# Altium PCB HIVE_BOARD_PCB ASCII REV Project_PCB_Rev.Project_SCH_Rev.PcbDoc (part 8 of 9)
Units mil, origin at the board's own origin, x right, y up, seen from the top; angles counter-clockwise.
Board outline 4330.71 x 4330.71 mil, 8 copper layers (Top, GND_1, Signal_1, GND_2, PWR, Signal_2, GND_3, Bottom), stack 62.994 mil thick; 660 components, 468 nets, 2497 pads, 1806 vias.
Unrouted connection lines stored in the file: 30.
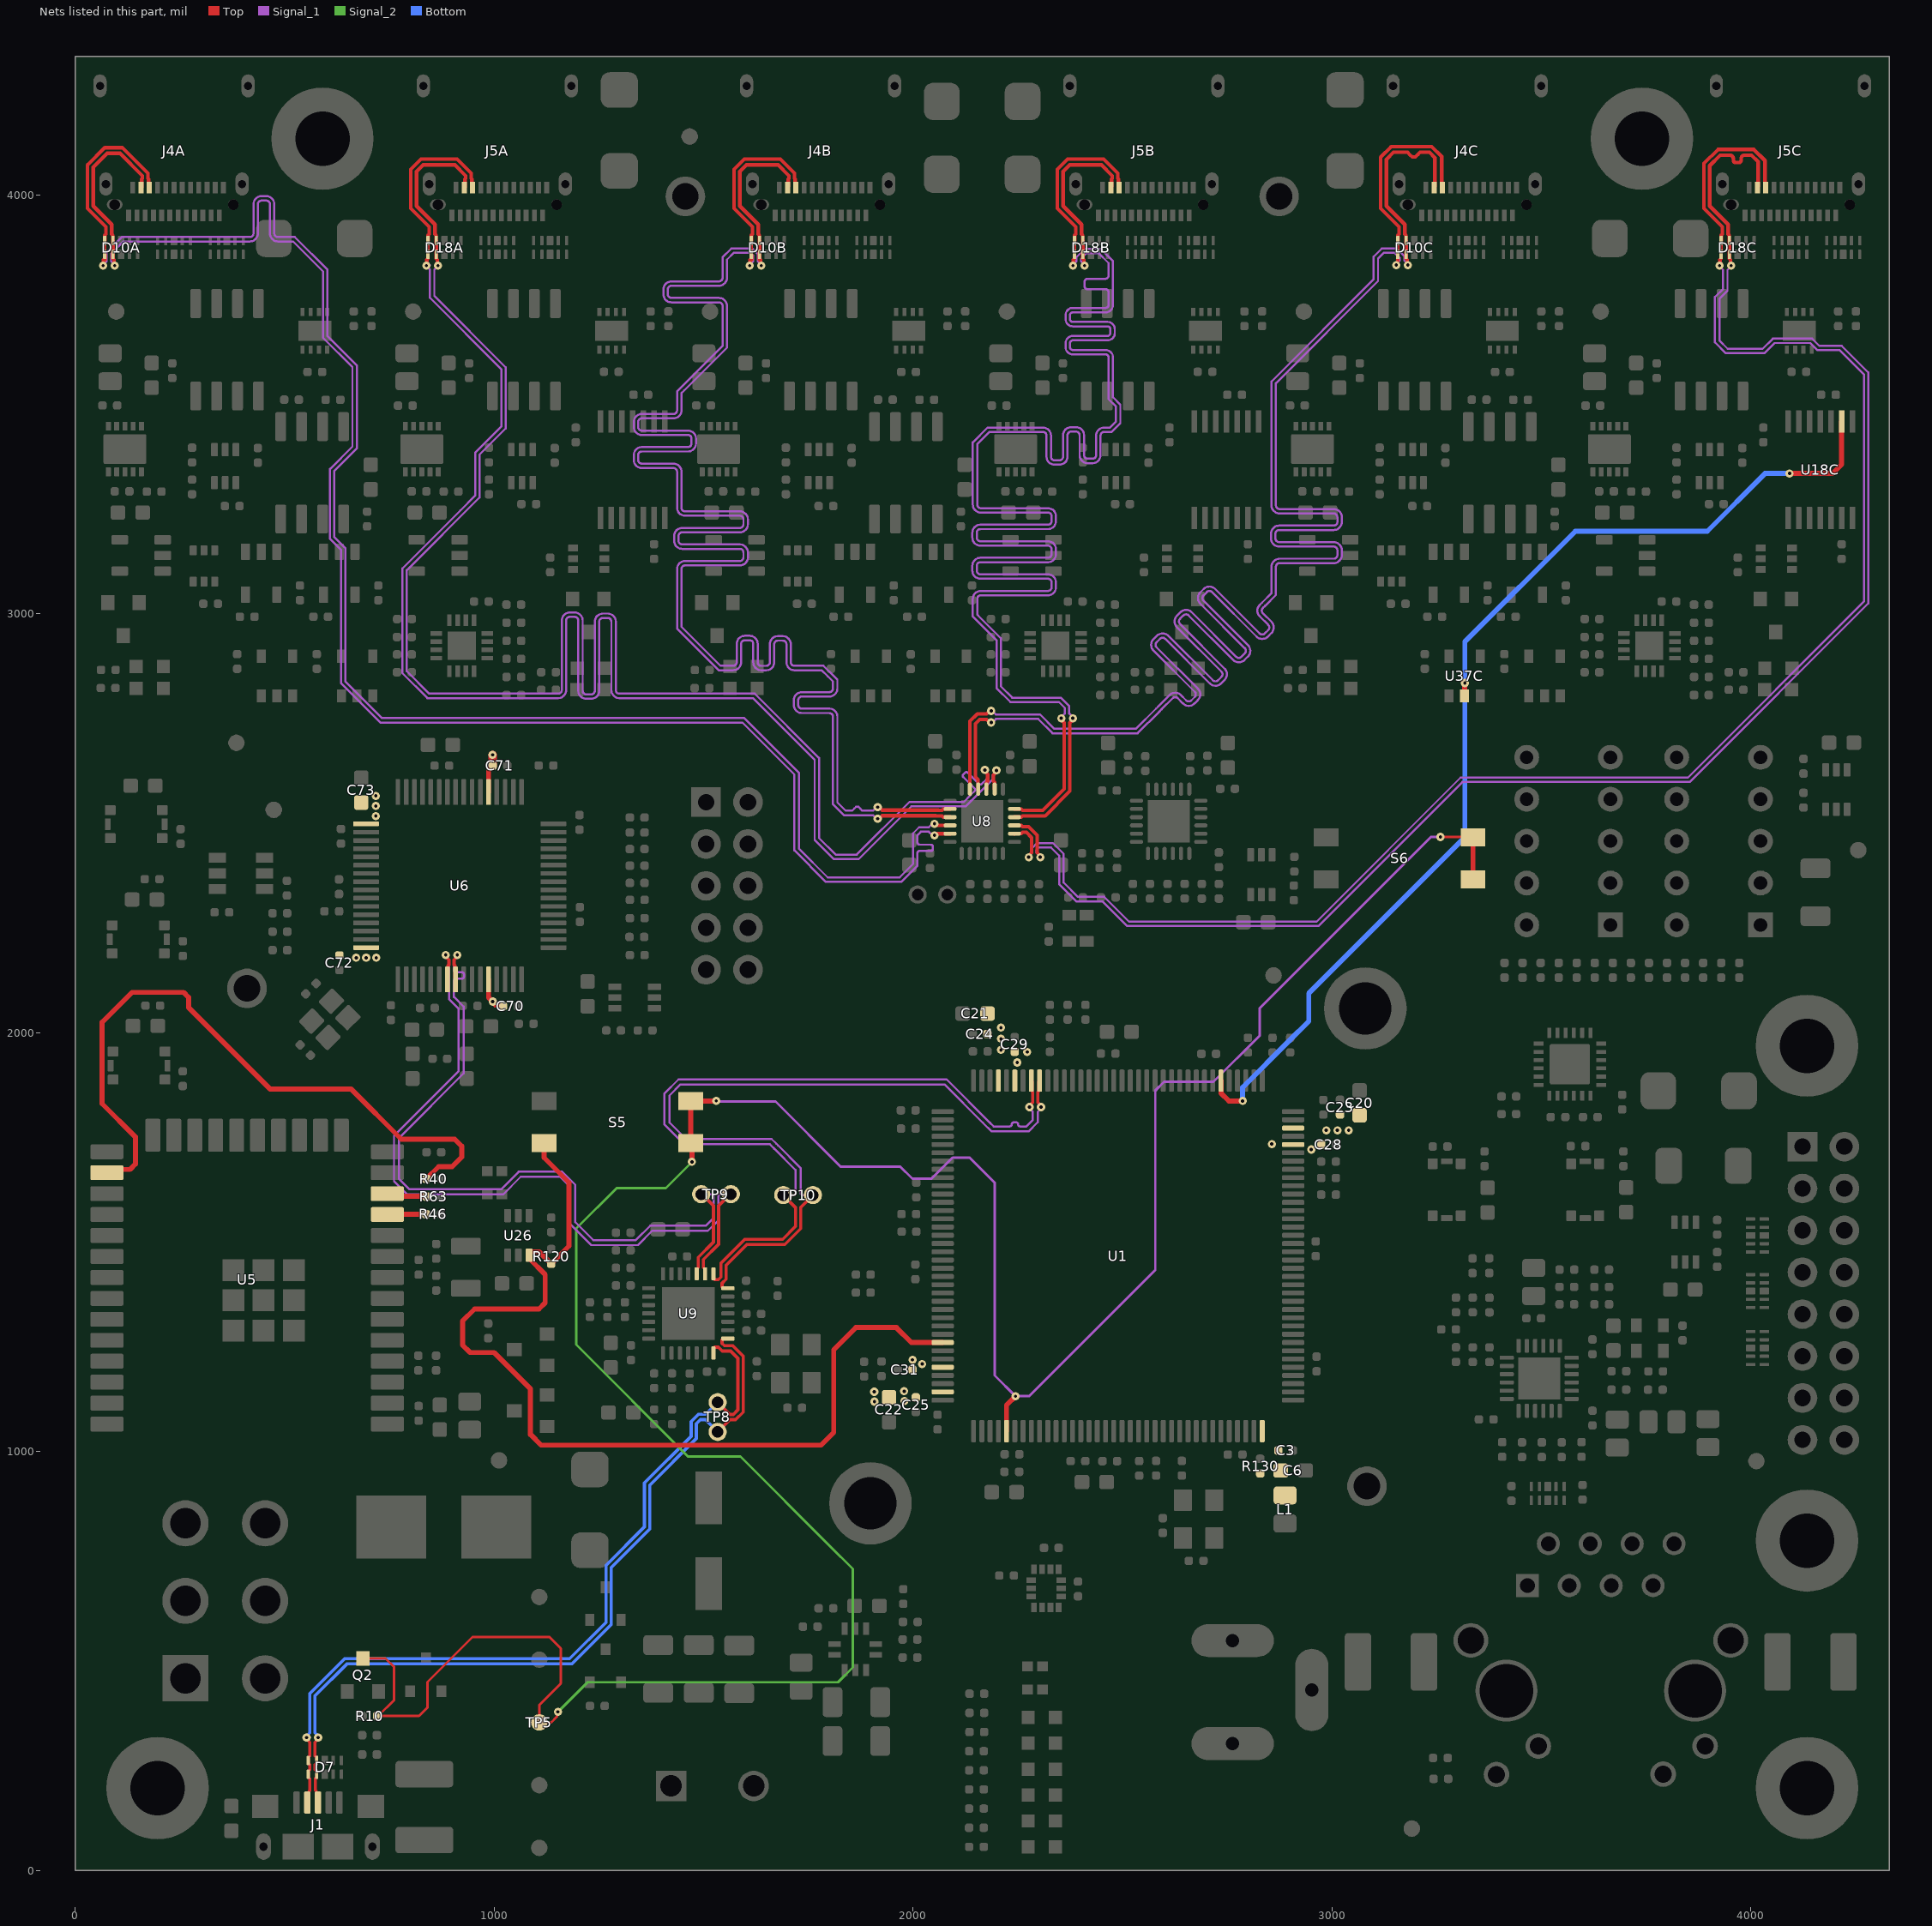
[diagram p14: the nets of this part, all layers, seen from the top]

## Via types
v1: diameter 19.68, hole 7.87, Top to Bottom, tented both sides, 1753 vias
v2: diameter 19.68, hole 7.87, Top to Bottom, 41 vias
v3: diameter 21.65, hole 7.87, Top to Bottom, tented both sides, 7 vias
v4: diameter 19.68, hole 7.87, Top to Bottom, tented bottom, 5 vias

## Nets (pads, with @x,y where several pads share a name; then routed paths per layer and width w, separated by ;. In a path a pad name is that pad's centre, name@x,y a point inside that pad or via, vN(x,y) a via of type N, cw(c..) or ccw(c..) an arc to the next point about the centre after c; other vN are vias at no path point) (continued)
SPI_nCS_1C: U1.78 U18C.9 U37C.2 | length 2614
  Top w12: U1.78@2735.28,1885.4 2735.28,1855.72 2754,1837 v1(2787,1837) ; U37C.2@3316.65,2803.76 v1@3316.65,2834.57 ; v1(4092.29,3334.63) 4194.84,3334.63 4216.73,3356.52 U18C.9@4216.73,3458.65 U18C.9@4217.65,3457.73
  Bottom w12: v1(2787,1837) 2787,1869.24 2899.08,1981.32 2944.89,2027.13 2944.89,2093.89 3317.34,2466.34 3317.34,2933.14 3581.2,3197 3896.25,3197 4033.89,3334.63 v1(4092.29,3334.63)
  other v1: 3317.34,2834.57
SYNC_0A_N: D10A.5 D10A.6 J4A.B3 U8.4 | length 4147.8
  Top w8.5: v1(66.88,3830.91) 68.08,3832.1 68.08,3844.66 D10A.6@70.87,3847.45 ; 71.18,3844.55 71.18,3857.27 D10A.6@70.87,3857.58 D10A.5@70.87,3890.45 71.18,3890.77 71.18,3903.48 73.96,3906.26 73.96,3923.46 29.9,3967.53 29.9,4071.19 71.09,4112.39 112.74,4112.39 174.06,4051.07 174.06,4038.44 175.5,4037 175.5,4018.97 J4A.B3@177.16,4017.31 ; v1(2051.36,2498.59) 2054.92,2498.59 2058.9,2494.61 U8.4@2088.74,2494.61
  Signal_1 w5: v1(66.88,3830.91) 66.88,3832.6 75.46,3841.18 75.46,3862.94 111.52,3899 393.36,3899 409.32,3899 417.07,3899 ccw(c417.07,3907.7) 425.77,3907.7 425.77,3977.23 cw(c444.97,3977.23) 444.97,3996.43 456.57,3996.43 cw(c456.57,3977.23) 475.77,3977.23 475.77,3907.7 ccw(c484.47,3907.7) 484.47,3899 509.93,3899 524.58,3899 602.55,3821.03 602.55,3662.81 672.56,3592.79 672.56,3394.66 619.03,3341.13 619.03,3182.8 645.03,3156.81 645.03,2838.59 732.92,2750.7 1597.3,2750.7 1727.62,2620.38 1727.62,2439.38 1796.6,2370.4 1968.11,2370.4 2000.3,2402.6 2000.3,2475.86 2014.45,2490.01 2037.88,2490.01 v1@2046.45,2498.59
SYNC_0A_P: D10A.4 D10A.7 J4A.B2 U8.5 | length 4147.8
  Top w8.5: v1(94.54,3830.91) 93.34,3832.1 93.34,3844.66 90.55,3847.45 D10A.7@90.55,3857.58 D10A.4@90.55,3890.45 90.24,3890.77 90.24,3903.48 87.46,3906.26 87.46,3929.06 43.4,3973.12 43.4,4065.6 76.69,4098.89 107.15,4098.89 160.56,4045.48 160.56,4038.44 159.13,4037 159.13,4018.97 J4A.B2@157.47,4017.31 ; v1(2051.36,2470.94) 2054.92,2470.94 2058.9,2474.92 U8.5@2088.74,2474.92
  Signal_1 w5: v1(94.54,3830.91) 94.54,3832.6 85.96,3841.18 85.96,3858.59 115.87,3888.5 409.32,3888.5 417.07,3888.5 ccw(c417.07,3907.7) 436.27,3907.7 436.27,3977.23 cw(c444.97,3977.23) 444.97,3985.93 456.57,3985.93 cw(c456.57,3977.23) 465.27,3977.23 465.27,3907.7 ccw(c484.47,3907.7) 484.47,3888.5 509.93,3888.5 520.23,3888.5 592.05,3816.68 592.05,3658.46 662.06,3588.44 662.06,3399.01 608.53,3345.48 608.53,3178.45 634.53,3152.46 634.53,2834.24 728.57,2740.2 1592.96,2740.2 1717.12,2616.03 1717.12,2435.03 1792.25,2359.9 1972.46,2359.9 2010.8,2398.25 2010.8,2411.17 2010.8,2428.67 cw(c2015.8,2428.67) 2015.8,2433.67 2042.96,2433.67 ccw(c2042.96,2438.17) 2047.46,2438.17 2047.46,2444.17 ccw(c2042.96,2444.17) 2042.96,2448.67 2015.8,2448.67 cw(c2015.8,2453.67) 2010.8,2453.67 2010.8,2461.22 2010.8,2471.51 2018.8,2479.51 2037.88,2479.51 v1@2046.45,2470.94
SYNC_0B_N: D10B.5 D10B.6 J4B.B3 U8.2 | length 4191.7
  Top w8.5: v1(1610.19,3830.92) 1611.39,3832.12 1611.39,3844.68 1614.18,3847.46 D10B.6@1614.18,3857.59 ; 1614.49,3844.57 1614.49,3857.28 D10B.6@1614.18,3857.59 ; J4B.B3@1720.47,4017.33 1718.81,4018.98 1718.81,4037.01 1717.38,4038.45 1717.38,4051.08 1683.63,4084.83 1597.17,4084.83 1573.21,4060.87 1573.21,3967.54 1617.27,3923.48 1617.27,3906.27 1614.49,3903.49 1614.49,3890.78 D10B.5@1614.17,3890.45 D10B.6@1614.18,3857.59 ; v1(1915.77,2538.24) 1919.33,2538.24 1926.41,2531.17 2059.96,2531.17 2060.24,2530.88 2069.51,2530.88 2072.35,2533.72 2088.48,2533.72 U8.2@2088.74,2533.98
  Signal_1 w5: v1(1610.19,3830.92) 1610.19,3832.62 1618.77,3841.19 1618.77,3854.86 1612.49,3861.14 1572.01,3861.14 1556.01,3845.15 1556.01,3824.63 1556.01,3801.9 cw(c1536.81,3801.9) 1536.81,3782.7 1423.55,3782.7 ccw(c1423.55,3774) 1414.85,3774 1414.85,3762.4 ccw(c1423.55,3762.4) 1423.55,3753.7 1536.81,3753.7 cw(c1536.81,3734.5) 1556.01,3734.5 1556.01,3726.74 1556.01,3634.92 1453.7,3532.61 1447.4,3526.31 1447.4,3485.36 cw(c1428.2,3485.36) 1428.2,3466.16 1352.79,3466.16 ccw(c1352.79,3457.46) 1344.09,3457.46 1344.09,3445.86 ccw(c1352.79,3445.86) 1352.79,3437.16 1462.85,3437.16 cw(c1462.85,3417.96) 1482.05,3417.96 1482.05,3406.36 cw(c1462.85,3406.36) 1462.85,3387.16 1352.79,3387.16 ccw(c1352.79,3378.46) 1344.09,3378.46 1344.09,3366.86 ccw(c1352.79,3366.86) 1352.79,3358.16 1428.2,3358.16 cw(c1428.2,3338.96) 1447.4,3338.96 1447.4,3299.06 1447.4,3260.71 1447.4,3252.96 ccw(c1456.1,3252.96) 1456.1,3244.26 1586.74,3244.26 cw(c1586.74,3225.06) 1605.94,3225.06 1605.94,3213.46 cw(c1586.74,3213.46) 1586.74,3194.26 1449.22,3194.26 ccw(c1449.22,3185.56) 1440.52,3185.56 1440.52,3173.96 ccw(c1449.22,3173.96) 1449.22,3165.26 1586.74,3165.26 cw(c1586.74,3146.06) 1605.94,3146.06 1605.94,3134.46 cw(c1586.74,3134.46) 1586.74,3115.26 1456.1,3115.26 ccw(c1456.1,3106.56) 1447.4,3106.56 1447.4,3081.94 1447.4,2968.99 1540.81,2875.59 1562.93,2875.59 1570.69,2875.59 ccw(c1570.69,2884.29) 1579.39,2884.29 1579.39,2927.97 cw(c1598.59,2927.97) 1598.59,2947.17 1610.19,2947.17 cw(c1610.19,2927.97) 1629.39,2927.97 1629.39,2884.14 ccw(c1638.09,2884.14) 1638.09,2875.44 1649.69,2875.44 ccw(c1649.69,2884.14) 1658.39,2884.14 1658.39,2927.14 cw(c1677.59,2927.14) 1677.59,2946.34 1689.19,2946.34 cw(c1689.19,2927.14) 1708.39,2927.14 1708.39,2884.29 ccw(c1717.09,2884.29) 1717.09,2875.59 1776.23,2875.59 1786.42,2875.59 1811.47,2850.54 1819.6,2842.4 1819.6,2821.52 cw(c1800.4,2821.52) 1800.4,2802.32 1734.95,2802.32 ccw(c1734.95,2793.62) 1726.25,2793.62 1726.25,2782.02 ccw(c1734.95,2782.02) 1734.95,2773.32 1800.4,2773.32 cw(c1800.4,2754.12) 1819.6,2754.12 1819.6,2746.37 1819.6,2549.59 1839.52,2529.67 1854.99,2529.67 1859.49,2534.17 1859.49,2534.48 1863.99,2538.98 1869.99,2538.98 1874.49,2534.48 1874.49,2534.17 1878.99,2529.67 1896.49,2529.67 1904.52,2529.67 1913.09,2538.24 v1(1915.77,2538.24)
SYNC_0B_P: D10B.4 D10B.7 J4B.B2 U8.3 | length 4191.7
  Top w8.5: 1633.55,3844.57 1633.55,3857.28 D10B.7@1633.86,3857.59 ; v1(1637.85,3830.92) 1636.65,3832.12 1636.65,3844.68 1633.86,3847.46 D10B.7@1633.86,3857.59 ; J4B.B2@1700.78,4017.33 1702.44,4018.98 1702.44,4037.01 1703.88,4038.45 1703.88,4045.49 1678.04,4071.33 1602.76,4071.33 1586.71,4055.28 1586.71,3973.13 1630.77,3929.07 1630.77,3906.27 1633.55,3903.49 1633.55,3890.78 D10B.4@1633.86,3890.45 D10B.7@1633.86,3857.59 ; v1(1915.77,2510.59) 1919.33,2510.59 1926.41,2517.67 2054.37,2517.67 2054.65,2517.38 2069.51,2517.38 2072.35,2514.55 2088.48,2514.55 U8.3@2088.74,2514.29
  Signal_1 w5: v1(1637.85,3830.92) 1637.85,3832.62 1629.27,3841.19 1629.27,3859.21 1616.84,3871.64 1566.59,3871.64 1545.51,3850.56 1545.51,3824.63 1545.51,3801.9 cw(c1536.81,3801.9) 1536.81,3793.2 1423.55,3793.2 ccw(c1423.55,3774) 1404.35,3774 1404.35,3762.4 ccw(c1423.55,3762.4) 1423.55,3743.2 1536.81,3743.2 cw(c1536.81,3734.5) 1545.51,3734.5 1545.51,3726.74 1545.51,3639.27 1438.86,3532.61 1436.9,3530.66 1436.9,3485.36 cw(c1428.2,3485.36) 1428.2,3476.66 1352.79,3476.66 ccw(c1352.79,3457.46) 1333.59,3457.46 1333.59,3445.86 ccw(c1352.79,3445.86) 1352.79,3426.66 1462.85,3426.66 cw(c1462.85,3417.96) 1471.55,3417.96 1471.55,3406.36 cw(c1462.85,3406.36) 1462.85,3397.66 1352.79,3397.66 ccw(c1352.79,3378.46) 1333.59,3378.46 1333.59,3366.86 ccw(c1352.79,3366.86) 1352.79,3347.66 1428.2,3347.66 cw(c1428.2,3338.96) 1436.9,3338.96 1436.9,3299.06 1436.9,3260.71 1436.9,3252.96 ccw(c1456.1,3252.96) 1456.1,3233.76 1586.74,3233.76 cw(c1586.74,3225.06) 1595.44,3225.06 1595.44,3213.46 cw(c1586.74,3213.46) 1586.74,3204.76 1449.22,3204.76 ccw(c1449.22,3185.56) 1430.02,3185.56 1430.02,3173.96 ccw(c1449.22,3173.96) 1449.22,3154.76 1586.74,3154.76 cw(c1586.74,3146.06) 1595.44,3146.06 1595.44,3134.46 cw(c1586.74,3134.46) 1586.74,3125.76 1456.1,3125.76 ccw(c1456.1,3106.56) 1436.9,3106.56 1436.9,3081.94 1436.9,2964.64 1536.46,2865.09 1562.93,2865.09 1570.69,2865.09 ccw(c1570.69,2884.29) 1589.89,2884.29 1589.89,2927.97 cw(c1598.59,2927.97) 1598.59,2936.67 1610.19,2936.67 cw(c1610.19,2927.97) 1618.89,2927.97 1618.89,2884.14 ccw(c1638.09,2884.14) 1638.09,2864.94 1649.69,2864.94 ccw(c1649.69,2884.14) 1668.89,2884.14 1668.89,2927.14 cw(c1677.59,2927.14) 1677.59,2935.84 1689.19,2935.84 cw(c1689.19,2927.14) 1697.89,2927.14 1697.89,2884.29 ccw(c1717.09,2884.29) 1717.09,2865.09 1776.23,2865.09 1782.07,2865.09 1796.62,2850.54 1809.1,2838.06 1809.1,2821.52 cw(c1800.4,2821.52) 1800.4,2812.82 1734.95,2812.82 ccw(c1734.95,2793.62) 1715.75,2793.62 1715.75,2782.02 ccw(c1734.95,2782.02) 1734.95,2762.82 1800.4,2762.82 cw(c1800.4,2754.12) 1809.1,2754.12 1809.1,2746.37 1809.1,2545.24 1835.17,2519.17 1904.52,2519.17 1913.09,2510.59 v1(1915.77,2510.59)
SYNC_0C_N: D10C.5 D10C.6 J4C.B3 U8.22 | length 4191.2
  Top w8.5: U8.22@2155.67,2581.22 2155.41,2581.48 2155.41,2604.59 2149.48,2610.52 2149.48,2737.5 2159.35,2747.36 2176.09,2747.36 2183.17,2740.29 v1(2186.73,2740.29) ; v1(3153.5,3832) 3153.5,3835.56 3157.17,3839.23 3157.17,3857.27 D10C.6@3157.48,3857.58 D10C.5@3157.48,3890.45 3157.8,3890.77 3157.8,3903.48 3160.58,3906.26 3160.58,3923.47 3116.52,3967.53 3116.52,4089.73 3141.47,4114.68 3238.41,4114.68 3262.12,4090.97 3262.12,4018.97 J4C.B3@3263.78,4017.32
  Signal_1 w5: v1(2186.73,2740.29) 2189.41,2740.29 2197.99,2748.86 2299.01,2748.86 2333.27,2714.6 2536.28,2714.6 2587.97,2766.29 2593.44,2771.76 ; 2581.63,2931.81 ccw(c2587.77,2925.65) 2581.59,2919.52 2680.06,2821.05 cw(c2666.51,2807.45) 2680.09,2793.87 2671.89,2785.67 cw(c2658.31,2799.25) 2644.73,2785.67 2632.22,2798.18 ccw(c2626.04,2792.06) 2619.88,2798.19 2593.46,2771.77 ; 2581.64,2931.82 2589.8,2939.98 cw(c2595.97,2933.85) 2602.15,2939.98 2708.39,2833.74 ; 2637.49,2987.67 ccw(c2643.63,2981.51) 2637.45,2975.38 2745.32,2867.52 2745.32,2867.32 cw(c2730.21,2855.48) 2743.78,2841.9 2735.58,2833.7 cw(c2722,2847.27) 2708.39,2833.73 ; 2637.5,2987.68 2645.66,2995.84 cw(c2651.83,2989.71) 2658.01,2995.84 2764.25,2889.6 ccw(c2777.86,2903.14) 2791.44,2889.56 2799.64,2897.76 ccw(c2786.07,2911.34) 2801.18,2923.18 2801.18,2923.38 2693.31,3031.24 cw(c2699.49,3037.37) 2693.35,3043.53 2701.52,3051.7 cw(c2707.69,3045.57) 2713.87,3051.7 2820.11,2945.46 ccw(c2833.73,2959) 2847.3,2945.42 2855.5,2953.62 ccw(c2841.93,2967.2) 2857.04,2979.04 2857.04,2979.24 2835.15,3001.13 ; 2835.12,3001.16 cw(c2841.29,3007.3) 2835.12,3013.44 ; 2835.16,3013.47 2840.61,3018.93 2866.46,3044.78 2866.46,3082.19 2866.46,3112.06 cw(c2875.16,3112.06) 2875.16,3120.76 3004.32,3120.76 ccw(c3004.32,3139.96) 3023.52,3139.96 3023.52,3151.56 ccw(c3004.32,3151.56) 3004.32,3170.76 2874.06,3170.76 cw(c2874.06,3179.46) 2865.36,3179.46 2865.36,3191.06 cw(c2874.06,3191.06) 2874.06,3199.76 3004.32,3199.76 ccw(c3004.32,3218.96) 3023.52,3218.96 3023.52,3230.56 ccw(c3004.32,3230.56) 3004.32,3249.76 2875.16,3249.76 cw(c2875.16,3258.46) 2866.46,3258.46 2866.46,3266.21 2866.46,3550.15 3110.19,3793.87 3110.19,3847.91 3123.47,3861.19 3150.22,3861.19 3162.07,3849.34 3162.07,3843.26 3153.5,3834.68 v1(3153.5,3832)
SYNC_0C_P: D10C.4 D10C.7 J4C.B2 U8.23 | length 4191.7
  Top w8.5: U8.23@2135.98,2581.22 2135.98,2743.09 2153.76,2760.86 2176.09,2760.86 2183.17,2767.94 v1(2186.73,2767.94) ; v1(3181.15,3832) 3181.15,3835.56 3179.96,3836.75 3179.96,3844.67 3177.17,3847.45 3177.17,3857.58 3177.17,3890.46 3176.86,3890.77 3176.86,3903.48 3174.08,3906.26 3174.08,3929.06 3130.02,3973.12 3130.02,4084.13 3147.07,4101.18 3157.89,4101.18 3180.64,4101.18 3186.19,4095.63 3191.74,4090.08 3199.14,4090.08 3204.69,4095.63 3210.24,4101.18 3224.71,4101.18 3232.82,4101.18 3245.75,4088.25 3245.75,4018.97 J4C.B2@3244.09,4017.32
  Signal_1 w5: v1(2186.73,2767.94) 2189.41,2767.94 2197.99,2759.36 2303.36,2759.36 2337.62,2725.1 2531.93,2725.1 2580.55,2773.71 2586.02,2779.18 2612.47,2805.63 cw(c2626.04,2792.06) 2639.64,2805.61 2652.13,2793.12 ; 2607.81,2948.96 2608.01,2948.96 2715.88,2841.1 ccw(c2722,2847.27) 2728.17,2841.14 2736.33,2849.3 ccw(c2730.21,2855.48) 2736.33,2861.65 ; 2607.81,2948.96 ccw(c2595.97,2933.85) 2582.4,2947.43 2574.19,2939.22 ccw(c2587.77,2925.65) 2574.23,2912.04 2672.66,2813.6 cw(c2666.51,2807.45) 2672.65,2801.28 ; 2652.14,2793.11 ccw(c2658.31,2799.25) 2664.47,2793.11 ; 2664.49,2793.12 2672.64,2801.27 ; 2736.32,2861.67 2630.09,2967.9 cw(c2643.63,2981.51) 2630.05,2995.08 2638.26,3003.29 cw(c2651.83,2989.71) 2663.67,3004.82 2663.87,3004.82 2771.74,2896.96 ccw(c2777.86,2903.14) 2784.03,2897 2792.19,2905.16 ; 2792.21,2905.17 ccw(c2786.07,2911.34) 2792.19,2917.52 2685.95,3023.76 cw(c2699.49,3037.37) 2685.92,3050.95 2694.12,3059.15 cw(c2707.69,3045.57) 2719.54,3060.69 2719.73,3060.69 2827.6,2952.82 ccw(c2833.73,2959) 2839.89,2952.86 ; 2839.9,2952.87 2848.06,2961.02 ccw(c2841.93,2967.2) 2848.05,2973.38 ; 2848.04,2973.39 2827.74,2993.69 cw(c2841.29,3007.3) 2827.73,3020.9 2833.19,3026.36 2855.96,3049.12 2855.96,3082.19 2855.96,3112.06 cw(c2875.16,3112.06) 2875.16,3131.26 3004.32,3131.26 ccw(c3004.32,3139.96) 3013.02,3139.96 3013.02,3151.56 ccw(c3004.32,3151.56) 3004.32,3160.26 2874.06,3160.26 cw(c2874.06,3179.46) 2854.86,3179.46 2854.86,3191.06 cw(c2874.06,3191.06) 2874.06,3210.26 3004.32,3210.26 ccw(c3004.32,3218.96) 3013.02,3218.96 3013.02,3230.56 ccw(c3004.32,3230.56) 3004.32,3239.26 2875.16,3239.26 cw(c2875.16,3258.46) 2855.96,3258.46 2855.96,3266.21 2855.96,3554.5 3099.69,3798.22 3099.69,3852.26 3119.12,3871.69 3154.57,3871.69 3172.57,3853.69 3172.57,3843.26 3181.15,3834.68 v1(3181.15,3832)
SYNC_1A_N: D18A.5 D18A.6 J5A.B3 U8.20 | length 4191.7
  Top w8.5: v1(838.54,3830.91) 839.73,3832.1 839.73,3844.66 842.52,3847.45 D18A.6@842.52,3857.58 D18A.5@842.52,3890.45 842.83,3890.77 842.83,3903.48 845.61,3906.26 845.61,3923.46 801.55,3967.53 801.55,4060.85 825.51,4084.81 911.97,4084.81 945.72,4051.07 945.72,4038.44 947.16,4037 947.16,4018.97 J5A.B3@948.81,4017.31 ; U8.20@2195.04,2581.22 2194.78,2581.48 2194.78,2597.61 2191.95,2600.44 2191.95,2615 2199.31,2622.36 v1(2199.31,2625.92)
  Signal_1 w5: v1@847.11,3832 838.54,3832 838.54,3829.32 847.11,3820.74 847.11,3753.95 1017.56,3583.5 1017.56,3446.65 955.12,3384.22 955.12,3281.85 919.63,3246.36 781.38,3108.11 781.38,2858.2 841.07,2798.51 1145.25,2798.51 1153,2798.51 ccw(c1153,2817.71) 1172.2,2817.71 1172.2,2983.67 cw(c1180.9,2983.67) 1180.9,2992.37 1192.5,2992.37 cw(c1192.5,2983.67) 1201.2,2983.67 1201.2,2816.09 ccw(c1220.4,2816.09) 1220.4,2796.89 1232,2796.89 ccw(c1232,2816.09) 1251.2,2816.09 1251.2,2981.06 cw(c1259.9,2981.06) 1259.9,2989.76 1271.5,2989.76 cw(c1271.5,2981.06) 1280.2,2981.06 1280.2,2817.71 ccw(c1299.4,2817.71) 1299.4,2798.51 1328.27,2798.51 1618.31,2798.51 1765.4,2651.42 1765.4,2460.32 1811.46,2414.27 1870.31,2414.27 1996.16,2540.11 2125.59,2540.11 2138.67,2553.19 2190.74,2605.26 2190.74,2614.67 2199.31,2623.23 v1(2199.31,2625.92)
SYNC_1A_P: D18A.4 D18A.7 J5A.B2 U8.21 | length 4191.7
  Top w8.5: v1(866.19,3830.91) 864.99,3832.1 864.99,3844.66 862.2,3847.45 D18A.7@862.2,3857.58 D18A.4@862.2,3890.45 861.89,3890.77 861.89,3903.48 859.11,3906.26 859.11,3929.06 815.05,3973.12 815.05,4055.26 831.1,4071.31 906.38,4071.31 932.22,4045.48 932.22,4038.44 930.78,4037 930.78,4018.97 J5A.B2@929.13,4017.31 ; v1(2171.67,2626.96) 2171.67,2623.4 2178.45,2616.63 2178.45,2600.44 2175.61,2597.61 2175.61,2581.48 U8.21@2175.35,2581.22
  Signal_1 w5: v1@866.19,3832 866.19,3829.32 857.61,3820.74 857.61,3758.3 1028.06,3587.85 1028.06,3442.3 965.62,3379.87 965.62,3277.5 791.88,3103.76 791.88,2862.55 845.42,2809.01 1145.25,2809.01 1153,2809.01 ccw(c1153,2817.71) 1161.7,2817.71 1161.7,2983.67 cw(c1180.9,2983.67) 1180.9,3002.87 1192.5,3002.87 cw(c1192.5,2983.67) 1211.7,2983.67 1211.7,2816.09 ccw(c1220.4,2816.09) 1220.4,2807.39 1232,2807.39 ccw(c1232,2816.09) 1240.7,2816.09 1240.7,2981.06 cw(c1259.9,2981.06) 1259.9,3000.26 1271.5,3000.26 cw(c1271.5,2981.06) 1290.7,2981.06 1290.7,2817.71 ccw(c1299.4,2817.71) 1299.4,2809.01 1328.27,2809.01 1622.66,2809.01 1775.9,2655.77 1775.9,2464.67 1815.81,2424.77 1865.97,2424.77 1991.81,2550.61 2121.24,2550.61 2136.75,2566.12 2138.52,2567.89 2146.83,2576.2 ccw(c2143.3,2579.74) 2146.83,2583.27 2120.16,2609.94 cw(c2123.35,2613.12) 2120.16,2616.3 2124.41,2620.55 cw(c2127.59,2617.36) 2130.77,2620.55 2157.44,2593.88 ccw(c2160.97,2597.41) 2164.51,2593.88 2175.12,2604.49 2176.88,2606.25 2180.24,2609.61 2180.24,2615.7 2171.67,2624.27 v1(2171.67,2626.96)
SYNC_1B_N: D18B.5 D18B.6 J5B.B3 U8.16 | length 4191.7
  Top w8.5: U8.16@2242.28,2514.29 2242.54,2514.55 2258.67,2514.55 2261.51,2517.38 2315.6,2517.38 2374.62,2576.41 2374.62,2739.82 2381.7,2746.9 v1(2381.7,2750.46) ; v1(2381.85,3830.92) 2383.04,3832.12 2383.04,3844.68 2385.83,3847.46 2385.83,3857.59 D18B.5@2385.83,3890.45 2386.14,3890.78 2386.14,3903.49 2388.92,3906.27 2388.92,3923.48 2344.86,3967.54 2344.86,4060.87 2368.82,4084.83 2455.28,4084.83 2489.03,4051.08 2489.03,4038.45 2490.47,4037.01 2490.47,4018.98 J5B.B3@2492.12,4017.33
  Signal_1 w5: v1(2381.7,2750.46) 2381.7,2753.14 2373.12,2761.71 2373.12,2779.46 2352.99,2799.59 2237.07,2799.59 2209.99,2826.67 2209.99,2941.21 2155.51,2995.69 2153.38,2997.81 2153.38,3035.23 cw(c2162.08,3035.23) 2162.08,3043.93 2322.22,3043.93 ccw(c2322.22,3063.13) 2341.42,3063.13 2341.42,3074.73 ccw(c2322.22,3074.73) 2322.22,3093.93 2161.03,3093.93 cw(c2161.03,3102.63) 2152.33,3102.63 2152.33,3114.23 cw(c2161.03,3114.23) 2161.03,3122.93 2322.22,3122.93 ccw(c2322.22,3142.13) 2341.42,3142.13 2341.42,3153.73 ccw(c2322.22,3153.73) 2322.22,3172.93 2161.03,3172.93 cw(c2161.03,3181.63) 2152.33,3181.63 2152.33,3193.23 cw(c2161.03,3193.23) 2161.03,3201.93 2322.22,3201.93 ccw(c2322.22,3221.13) 2341.42,3221.13 2341.42,3232.73 ccw(c2322.22,3232.73) 2322.22,3251.93 2162.08,3251.93 cw(c2162.08,3260.63) 2153.38,3260.63 2153.38,3268.38 2153.38,3404.62 2182.66,3433.9 2272.54,3433.9 2310.15,3433.9 cw(c2310.15,3425.2) 2318.85,3425.2 2318.85,3374.81 ccw(c2338.05,3374.81) 2338.05,3355.61 2349.65,3355.61 ccw(c2349.65,3374.81) 2368.85,3374.81 2368.85,3425.98 cw(c2377.55,3425.98) 2377.55,3434.68 2389.15,3434.68 cw(c2389.15,3425.98) 2397.85,3425.98 2397.85,3378.54 ccw(c2417.05,3378.54) 2417.05,3359.34 2428.65,3359.34 ccw(c2428.65,3378.54) 2447.85,3378.54 2447.85,3425.2 cw(c2456.55,3425.2) 2456.55,3433.9 2464.3,3433.9 2474.48,3433.9 2495.09,3454.51 2495.09,3499.05 2477.46,3516.68 2477.46,3604.26 2477.46,3612.01 ccw(c2460.06,3612.01) 2460.06,3629.41 2381.59,3629.41 cw(c2381.59,3636.31) 2374.69,3636.31 2374.69,3645.51 cw(c2381.59,3645.51) 2381.59,3652.41 2464.3,3652.41 ccw(c2464.3,3669.81) 2481.7,3669.81 2481.7,3679.01 ccw(c2464.3,3679.01) 2464.3,3696.41 2381.59,3696.41 cw(c2381.59,3703.31) 2374.69,3703.31 2374.69,3712.51 cw(c2381.59,3712.51) 2381.59,3719.41 2460.06,3719.41 ccw(c2460.06,3736.81) 2477.46,3736.81 2477.46,3759.51 2477.46,3841.27 2447.5,3871.22 2410.42,3871.22 2390.42,3851.22 2390.42,3841.19 2381.85,3832.62 v1(2381.85,3830.92)